# Altium PCB Shaheen.PcbDoc (part 2 of 4)
Units mm, origin at the board's own origin, x right, y up, seen from the top; angles counter-clockwise.
Board outline 102.4 x 144.2 mm, 4 copper layers (Top Layer, GND1, POWER, Bottom Layer), stack 0.89 mm thick; 163 components, 248 nets, 932 pads, 530 vias.
Unrouted connection lines stored in the file: 1.
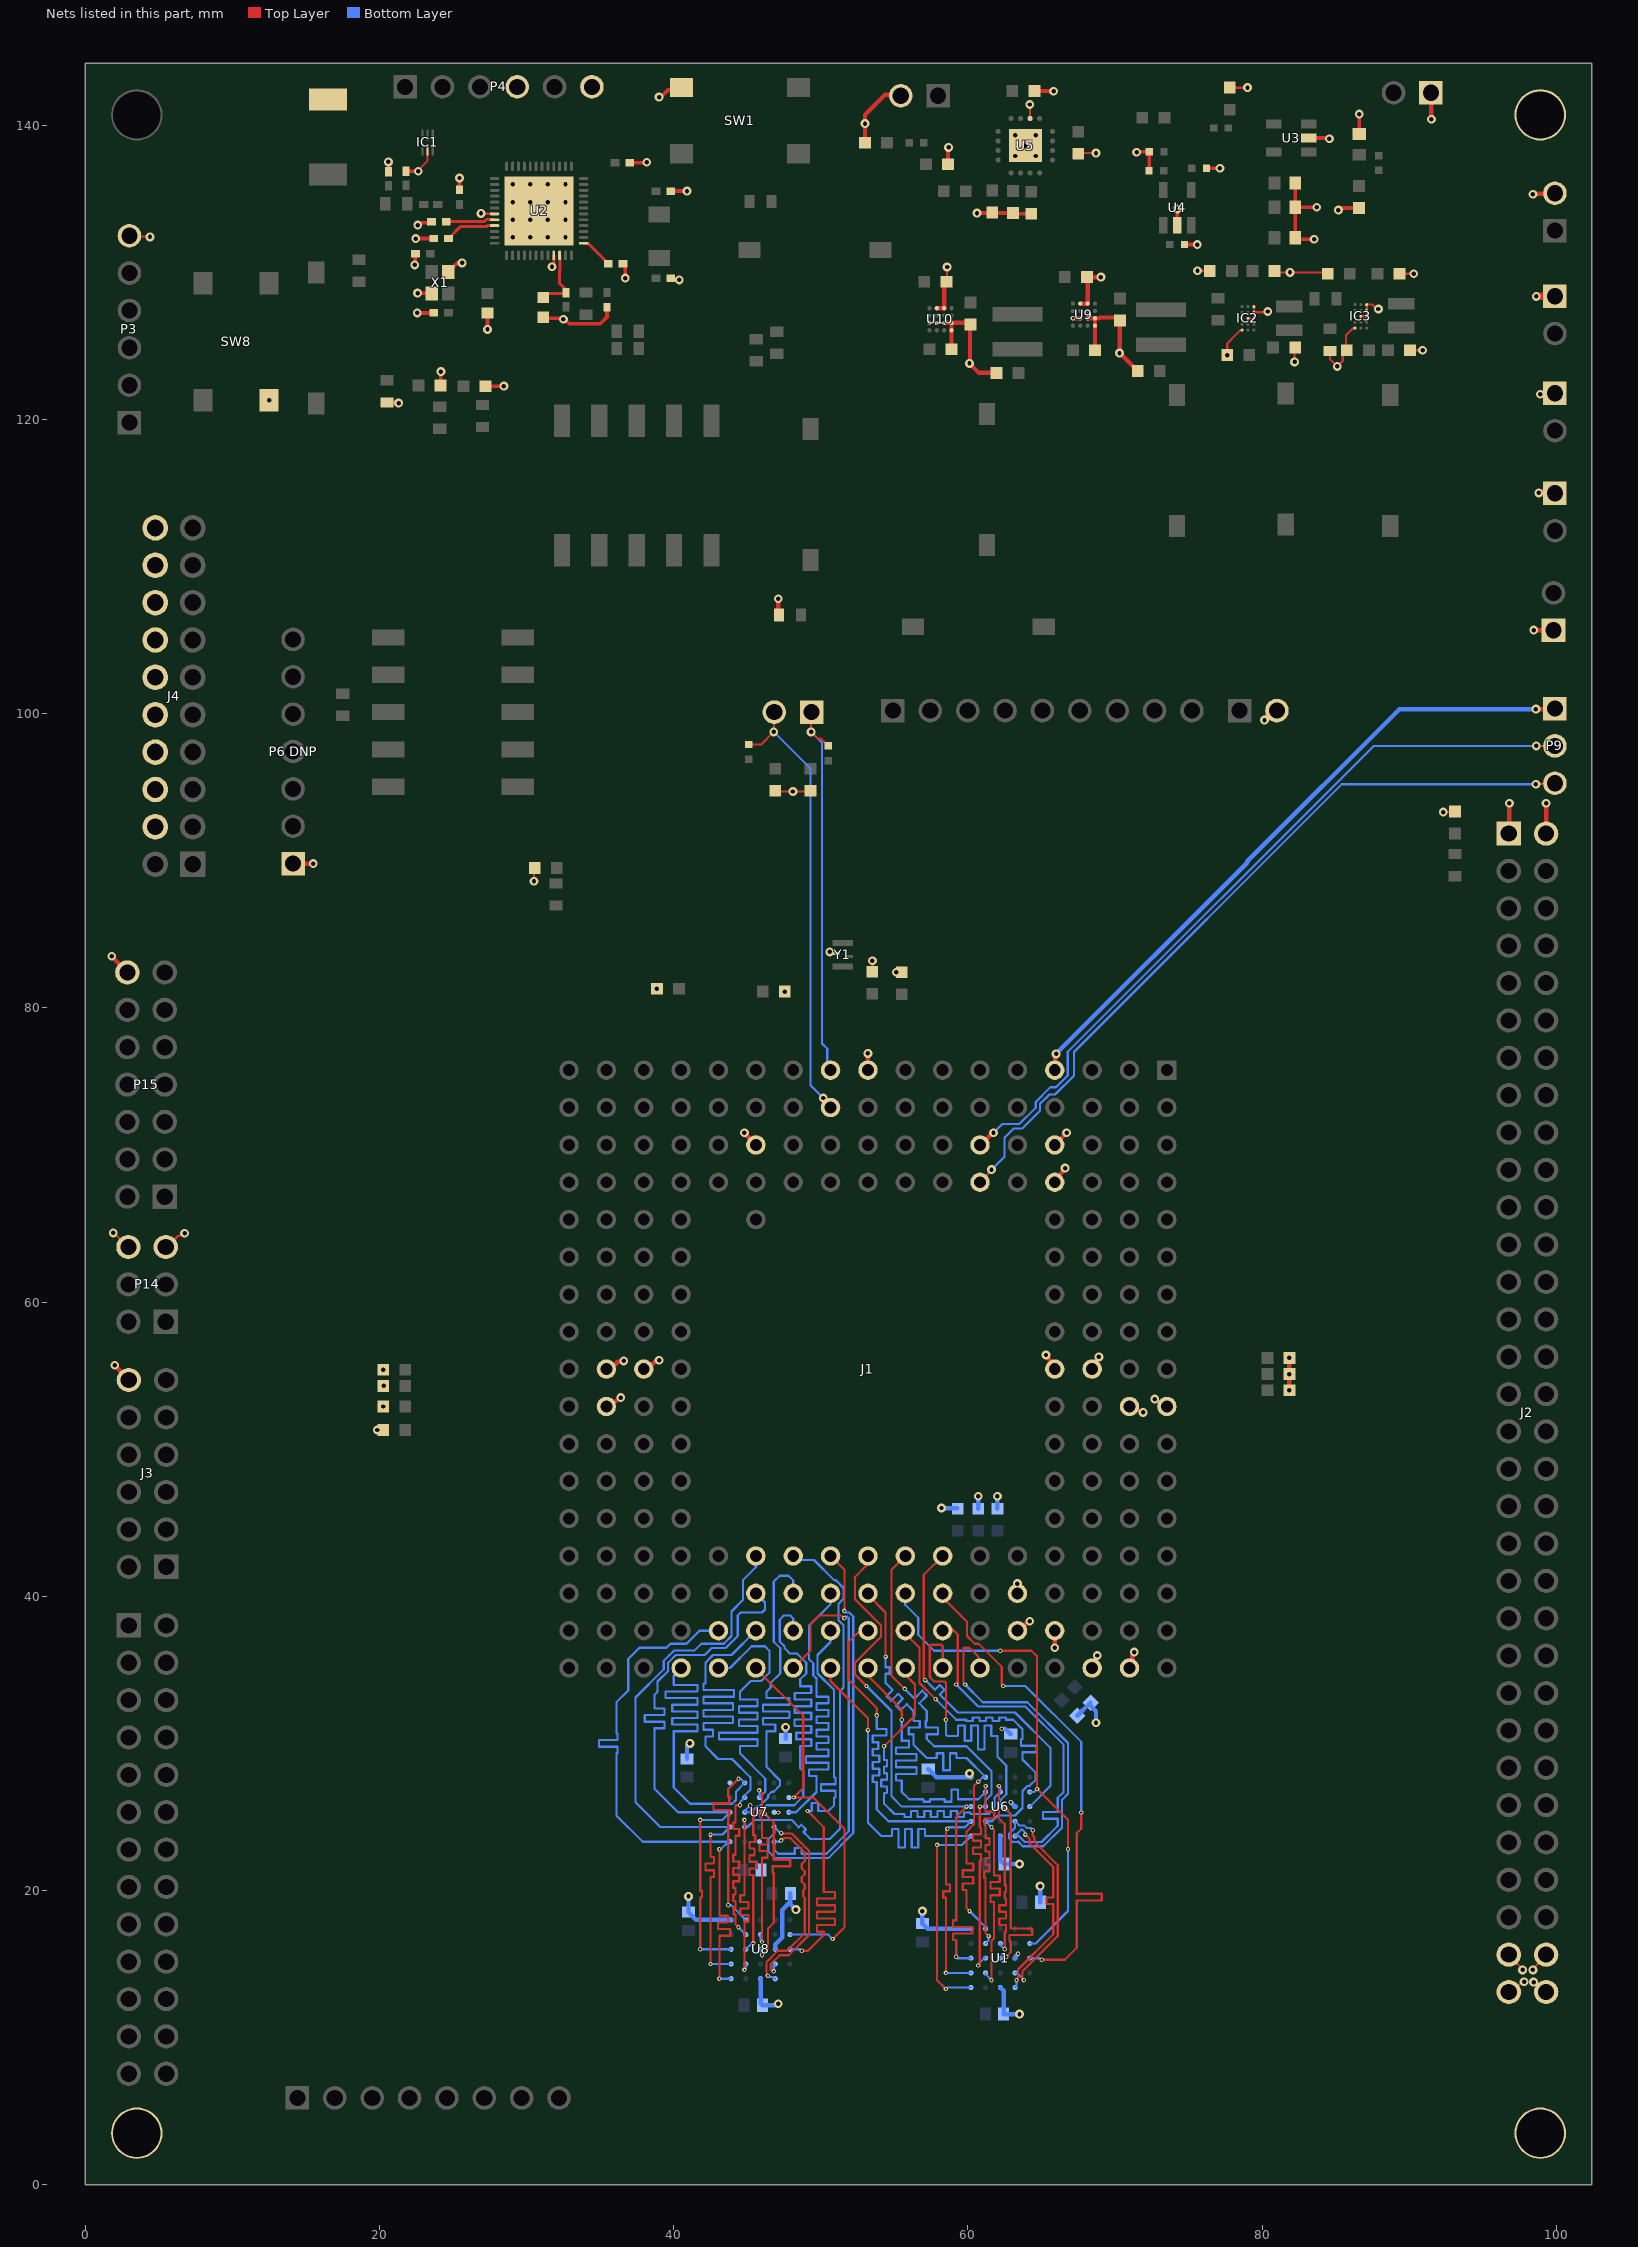
[diagram p4: the nets of this part, all layers, seen from the top]

## Part data
A1: library part "Linx ANT-2.45-CHP-x", "Amtenna", Manufacturer=Linx, Manufacturer PN=ANT-2.45-CHP-T, Supplier=Digikey, Supplier PN=ANT-2.45-CHPCT-ND
C1 C2 C3 C4 C5 C6 C8 C9 C35 C36 C37: library part CMP-1035-02588-2, Manufacturer=Vitramon, Part Number=VJ0603Y104KNXAO
C7: library part CMP-1035-02588-2, "100nF", Manufacturer=Vitramon, Part Number=VJ0603Y104KNXAO
C10: library part C0603-1µ0, "Capacitor, X7R, ±10%", Artikkelnr Noca=20039335, Artikkelnr Simpro=N.A., Footprint Doc=0603, LatestRevisionDate=2013-06-05, Note=16V, Part Number=C0603-1µ0, Pin Count=2, Published=2009-05-08, Publisher="Nordic Semiconductor"
C11 C17 C21: library part C0402-100n, "Capacitor, X7R, ±10%", Artikkelnr Noca=20039200, Artikkelnr Simpro=N.A., Footprint Doc=0402, LatestRevisionDate=2009-11-23, Note=16V, Part Number=C0402-100n, Pin Count=2, Published=2009-05-08, Publisher="Nordic Semiconductor"
C12 C13 C15 C16: library part C0402-12p, "Capacitor, NP0, ±2%", Artikkelnr Noca=20029159, Artikkelnr Simpro=N.A., Footprint Doc=0402, LatestRevisionDate=2011-05-11, Note=50V, Part Number=C0402-12p, Pin Count=2, Published=2009-05-08, Publisher="Nordic Semiconductor"
C14: library part C0603-4µ7, "Capacitor, X5R, ±10%", Artikkelnr Noca=20069060, Artikkelnr Simpro=N.A., Footprint Doc=0603, LatestRevisionDate=2009-11-23, Note=6.3V, Part Number=C0603-4µ7, Pin Count=2, Published=2009-05-08, Publisher="Nordic Semiconductor"
C18: library part C0402-100p, "Capacitor, NP0, ±5%", Artikkelnr Noca=20029135, Artikkelnr Simpro=N.A., Footprint Doc=0402, LatestRevisionDate=2009-05-08, Note=50V, Part Number=C0402-100p, Pin Count=2, Published=2009-05-08, Publisher="Nordic Semiconductor"
C19: library part C0402-N.C., "Not mounted", Artikkelnr Noca=N.A., Artikkelnr Simpro=N.A., Footprint Doc=0402, LatestRevisionDate=2009-05-08, Note="Chip Cap", Part Number=C0402-N.C., Pin Count=2, Published=2009-05-08, Publisher="Nordic Semiconductor"
C20: library part C0402-0.8p, "Capacitor, NP0, ±5%", Artikkelnr Noca=20029147, Artikkelnr Simpro=N.A., Footprint Doc=0402, LatestRevisionDate=2012-11-21, Note=50V, Part Number=C0402-0.8p, Pin Count=2, Published=2009-05-08, Publisher="Nordic Semiconductor"
C22 C23 C24 C25 C26 C27 C28 C30 C38 C39 C40 C41 C42 C43 C44 C45 C46 C47 C48 C49 C50 C51 C52 C53 C54 C55 C56 C57 C58 C59 C60 C61 C62 C63 C64 C65 C66 C67 C68 C69 C70 C71: "Capacitor", LatestRevisionDate=17-Jul-2002, LatestRevisionNote="Re-released for DXP Platform.", PackageDescription="Radial Cap, Thru-Hole; 2 Leads; 0.3 in Pin Spacing", PackageReference=RAD-0.3, Published=8-Jun-2000, Publisher="Altium Limited"
C29 C31 C32 C33: "Capacitor (Semiconductor SIM Model)", LatestRevisionDate=29-May-2009, LatestRevisionNote="IPC-7351 Footprint Added.", PackageDescription="Chip Capacitor", PackageReference=C1206, Published=8-Jun-2000, Publisher="Altium Limited"
C34: library part Cap, "Capacitor", LatestRevisionDate=17-Jul-2002, LatestRevisionNote="Re-released for DXP Platform.", PackageDescription="Radial Cap, Thru-Hole; 2 Leads; 0.3 in Pin Spacing", PackageReference=RAD-0.3, Published=8-Jun-2000, Publisher="Altium Limited"
D1 D2 D3 D4 D5 D6 D7 D8: "Typical BLUE SiC LED", DatasheetVersion=16-Apr-2002, LatestRevisionDate=17-Dec-2003, LatestRevisionNote="PCB Footprint replaced.", PackageDescription="SM LED; 2 C-Bend Leads; Body 3.5 x 2.8 x 1.9 mm, inc leads (LxWxH typ)", PackageReference=3.5X2.8X1.9, PackageVersion=16-Apr-2002, Published=8-Jun-2000, Publisher="Altium Limited"
IC1: "Integrated Circuit", Manufacturer_Name=Vishay, Mouser2 Part Number=78-DG4157EDN-T1-GE4, Datasheet Link=https://componentsearchengine.com//DG4157EDN-T1-GE4.pdf, Height=0.38mm, Manufacturer_Part_Number=DG4157EDN-T1-GE4, Mouser2 Price/Stock=https://www.mouser.com/Search/Refine.aspx?Keyword=78-DG4157EDN-T1-GE4
IC2 IC3: "Integrated Circuit", Manufacturer_Name=onsemi, Datasheet Link=https://www.onsemi.com/pub/Collateral/FAN53528-D.PDF, Height=0.625mm, Manufacturer_Part_Number=FAN53528DUC40X
J1: "Connector", Manufacturer_Name=ARIES, Mouser Part Number=535-441-PRS21001-16, Datasheet Link=https://www.mouser.it/datasheet/2/35/10004_pga_zif_test_and_burn_in_socket-1225760.pdf, Height=10.92mm, Manufacturer_Part_Number=441-PRS21001-16, Mouser Price/Stock=https://www.mouser.co.uk/ProductDetail/Aries-Electronics/441-PRS21001-16?qs=qSpSzuzdqG3uVfRDOHdDNQ%3D%3D
J2: library part CMP-1502-01138-1, "THT Vertical Pin Header WR-PHD, Pitch 2.54 mm, Dual Row, 64 pins", Contact Resistance=20mOhm, Manufacturer="Wurth Elektronik", Operating Temperature=-40to105degC, Rated Current=3A, Withstanding Voltage=500VAC, Working Voltage=250VAC, Datasheet URL=https://katalog.we-online.de/em/datasheet/6130xx21121.pdf, Gender=Male, Manufacturer URL=http://www.we-online.de, Mounting Technology=THT, Orientation=Vertical, Package Reference=61306421121, Packaging=Bag, Part Number=61306421121, Pin Number=64, Pitch=2.54mm, Publisher=WurthElektronik, Row Number=Dual
J3: "Connector", Manufacturer_Name="Wurth Elektronik", Mouser2 Part Number=710-61301221121, Datasheet Link=https://componentsearchengine.com//61301221121.pdf, Height=8.89mm, Manufacturer_Part_Number=61301221121, Mouser2 Price/Stock=https://www.mouser.com/Search/Refine.aspx?Keyword=710-61301221121
J4: library part CMP-04776-000337-1, "CONN HEADER VERT 20POS 2.54MM", Current Rating=2.5A, Flammability Rating="UL94 V-0", Max Operating Temperature=120°C, Max Voltage Rating (DC)=250V, Min Operating Temperature=-55°C, Package Quantity=720, Contact Material=Gold, Contact Plating=Gold, ELV=Compliant, Gender=Male, Glow Wire Compliant=Non-compliant, Mount="Through Hole", Number Of Circuits=20, Number of Contacts=20, Number of Positions=20, Number of Rows=2, Orientation=Vertical, Packaging=Tray, Pitch=2.54mm, Radiation Hardening=No, Series=70246, Termination=Solder, Voltage Rating=250V, Voltage Rating (DC)=250V
L1: library part L0402-15n, "High frequency chip inductor ±10%", 2nd source part number=658-1328, Manufacturer="Taiyo Yuden", Manufacturer Part Number=HK100515NJ-T, Supplier Part Number=587-1521-1-ND, 2nd source Supplier=Farnell, Artikkelnr Noca=33029323, Artikkelnr Simpro=N.A., Datasheet=http://www.yuden.co.jp/productdata/catalog/en/mlci04_e.pdf, Footprint Doc=0402, LatestRevisionDate=2012-09-19, Note="High frequency chip inductor ±10%", Part Number=L0402-15n, Pin Count=2, Published=2010-07-12, Publisher="Nordic Semiconductor", Supplier=Digi-Key
L2: library part L0603-10µ, "Chip inductor, IDC,min = 50 mA, ±20%", 2nd source part number=178-6105, Manufacturer="Taiyo Yuden", Manufacturer Part Number=LBMF1608T100K, Supplier Part Number=587-1714-1-ND, 2nd source Supplier=Farnell, Artikkelnr Noca=33029314, Artikkelnr Simpro=N.A., Datasheet=http://www.yuden.co.jp/ut/product/pdf/elb2_e.pdf, Footprint Doc=0603, LatestRevisionDate=2012-09-19, Note="LBMF1608T100K 10µH 80mA 0603", Part Number=L0603-10µ, Pin Count=2, Published=2010-02-24, Publisher="Nordic Semiconductor", Supplier=Digi-Key
L3: library part L0402-3n9, "High frequency chip inductor ±5%", Manufacturer=Murata, Manufacturer Part Number=LQP15MN3N9B02D, Supplier Part Number=490-1131-1-ND, Artikkelnr Noca=33029151, Artikkelnr Simpro=N.A., Datasheet=http://search.murata.co.jp/Ceramy/image/img/PDF/ENG/L0075S0084LQP15M.pdf, Footprint Doc=0402, LatestRevisionDate=2012-09-19, Note="High frequency chip inductor ±5%", Part Number=L0402-3n9, Pin Count=2, Published=2009-05-08, Publisher="Nordic Semiconductor", Supplier=Digi-Key
L5 L6: library part CMP-2000-07423-1, "Shielded Power Inductor, 1 uH, 64 MHz, -40 to 125 degC, 2-Pin SMD, RoHS, Tape and Reel", Case Height=2.1mm, Case Length=4.3mm, Inductance=1uH, Manufacturer=Coilcraft, Maximum DC Current=11A, Maximum DC Resistance=11.9mOhms, Operating Temperature Range=-40Cto+125C, Package Description="2-Pin Surface Mount Device, Body 4 x 4 mm, Pitch 2.37 mm", Package Reference=XFL4020, Self Resonant Frequency=64MHz, Test Frequency=100kHz, Tolerance=20%, Case Width=4.3mm, Core Material=Composite, Datasheet URL=http://www.mouser.com/ds/2/597/xfl4020-270756.pdf, Datasheet Version=07/2012, Dimensions=4.3mmWx4.3mmLx2.1mmH, Manufacturer URL=http://www.coilcraft.com/, Mounting Technology=SurfaceMount, Packaging=Reel, Product=PowerInductors, RoHS=Details, Series=XFL4020, Shielding=Shielded, Termination Style=SMD/SMT
L7 L8: library part CMP-06042-003298-1, "Shielded Wirewound Inductor 0.33uH 20% 3500mA 0.034Ω 0806 (2016)", Case Code (Imperial)=0806, Case Code (Metric)=2016, Current Rating=4.7A, DC Resistance (DCR)=34mR, Inductance=330nH, Max DC Current=3.5A, Max Operating Temperature=125°C, Min Operating Temperature=-40°C, Resistor Type=Wirewound, Test Frequency=1MHz, Tolerance=20%, Case/Package=0806, Core Material=Ferrite, Depth=1.6mm, Height - Seated (Max)=0.039inch, Length=0.079inch, Mount="Surface Mount", Packaging="Tape and Reel", Shielding=Shielded, Width=0.063inch
P1 P2 P5 P6 P7 P8 P10 P16 P17: library part CMP-1712-00002-4, "THT Vertical Pin Header WR-PHD, Pitch 2.54 mm, Single Row, 2 pins", Contact Resistance=20mOhm, Manufacturer="Wurth Elektronik", Operating Temperature=-40to105degC, Rated Current=3A, Withstanding Voltage=500VAC, Working Voltage=250VAC, Datasheet URL=https://katalog.we-online.de/em/datasheet/6130xx11121.pdf, Gender=Male, Manufacturer URL=http://www.we-online.de, Mounting Technology=THT, Orientation=Vertical, Package Reference=61300211121, Packaging=Bag, Part Number=61300211121, Pin Number=2, Pitch=2.54mm, Publisher=WurthElektronik, Row Number=Single
P3 P4: library part CMP-1502-01070-1, "THT Vertical Pin Header WR-PHD, Pitch 2.54 mm, Single Row, 6 pins", Contact Resistance=20mOhm, Manufacturer="Wurth Elektronik", Operating Temperature=-40to105degC, Rated Current=3A, Withstanding Voltage=500VAC, Working Voltage=250VAC, Datasheet URL=https://katalog.we-online.de/em/datasheet/6130xx11121.pdf, Gender=Male, Manufacturer URL=http://www.we-online.de, Mounting Technology=THT, Orientation=Vertical, Package Reference=61300611121, Packaging=Bag, Part Number=61300611121, Pin Number=6, Pitch=2.54mm, Publisher=WurthElektronik, Row Number=Single
"P6 DNP": library part CMP-1502-01074-1, "THT Vertical Pin Header WR-PHD, Pitch 2.54 mm, Single Row, 7 pins", Contact Resistance=20mOhm, Manufacturer="Wurth Elektronik", Operating Temperature=-40to105degC, Rated Current=3A, Withstanding Voltage=500VAC, Working Voltage=250VAC, Datasheet URL=https://katalog.we-online.de/em/datasheet/6130xx11121.pdf, Gender=Male, Manufacturer URL=http://www.we-online.de, Mounting Technology=THT, Orientation=Vertical, Package Reference=61300711121, Packaging=Bag, Part Number=61300711121, Pin Number=7, Pitch=2.54mm, Publisher=WurthElektronik, Row Number=Single
P9: library part CMP-1502-01062-1, "THT Vertical Pin Header WR-PHD, Pitch 2.54 mm, Single Row, 3 pins", Contact Resistance=20mOhm, Manufacturer="Wurth Elektronik", Operating Temperature=-40to105degC, Rated Current=3A, Withstanding Voltage=500VAC, Working Voltage=250VAC, Datasheet URL=https://katalog.we-online.de/em/datasheet/6130xx11121.pdf, Gender=Male, Manufacturer URL=http://www.we-online.de, Mounting Technology=THT, Orientation=Vertical, Package Reference=61300311121, Packaging=Bag, Part Number=61300311121, Pin Number=3, Pitch=2.54mm, Publisher=WurthElektronik, Row Number=Single
P11: library part CMP-1502-01080-1, "THT Vertical Pin Header WR-PHD, Pitch 2.54 mm, Single Row, 9 pins", Contact Resistance=20mOhm, Manufacturer="Wurth Elektronik", Operating Temperature=-40to105degC, Rated Current=3A, Withstanding Voltage=500VAC, Working Voltage=250VAC, Datasheet URL=https://katalog.we-online.de/em/datasheet/6130xx11121.pdf, Gender=Male, Manufacturer URL=http://www.we-online.de, Mounting Technology=THT, Orientation=Vertical, Package Reference=61300911121, Packaging=Bag, Part Number=61300911121, Pin Number=9, Pitch=2.54mm, Publisher=WurthElektronik, Row Number=Single
P12: library part CMP-1502-01076-1, "THT Vertical Pin Header WR-PHD, Pitch 2.54 mm, Single Row, 8 pins", Contact Resistance=20mOhm, Manufacturer="Wurth Elektronik", Operating Temperature=-40to105degC, Rated Current=3A, Withstanding Voltage=500VAC, Working Voltage=250VAC, Datasheet URL=https://katalog.we-online.de/em/datasheet/6130xx11121.pdf, Gender=Male, Manufacturer URL=http://www.we-online.de, Mounting Technology=THT, Orientation=Vertical, Package Reference=61300811121, Packaging=Bag, Part Number=61300811121, Pin Number=8, Pitch=2.54mm, Publisher=WurthElektronik, Row Number=Single
P13: library part CMP-1502-01114-1, "THT Vertical Pin Header WR-PHD, Pitch 2.54 mm, Dual Row, 26 pins", Contact Resistance=20mOhm, Manufacturer="Wurth Elektronik", Operating Temperature=-40to105degC, Rated Current=3A, Withstanding Voltage=500VAC, Working Voltage=250VAC, Datasheet URL=https://katalog.we-online.de/em/datasheet/6130xx21121.pdf, Gender=Male, Manufacturer URL=http://www.we-online.de, Mounting Technology=THT, Orientation=Vertical, Package Reference=61302621121, Packaging=Bag, Part Number=61302621121, Pin Number=26, Pitch=2.54mm, Publisher=WurthElektronik, Row Number=Dual
P14: library part CMP-1502-01072-1, "THT Vertical Pin Header WR-PHD, Pitch 2.54 mm, Dual Row, 6 pins", Contact Resistance=20mOhm, Manufacturer="Wurth Elektronik", Operating Temperature=-40to105degC, Rated Current=3A, Withstanding Voltage=500VAC, Working Voltage=250VAC, Datasheet URL=https://katalog.we-online.de/em/datasheet/6130xx21121.pdf, Gender=Male, Manufacturer URL=http://www.we-online.de, Mounting Technology=THT, Orientation=Vertical, Package Reference=61300621121, Packaging=Bag, Part Number=61300621121, Pin Number=6, Pitch=2.54mm, Publisher=WurthElektronik, Row Number=Dual
P15: library part CMP-1502-01093-1, "THT Vertical Pin Header WR-PHD, Pitch 2.54 mm, Dual Row, 14 pins", Contact Resistance=20mOhm, Manufacturer="Wurth Elektronik", Operating Temperature=-40to105degC, Rated Current=3A, Withstanding Voltage=500VAC, Working Voltage=250VAC, Datasheet URL=https://katalog.we-online.de/em/datasheet/6130xx21121.pdf, Gender=Male, Manufacturer URL=http://www.we-online.de, Mounting Technology=THT, Orientation=Vertical, Package Reference=61301421121, Packaging=Bag, Part Number=61301421121, Pin Number=14, Pitch=2.54mm, Publisher=WurthElektronik, Row Number=Dual
R1 R2 R3 R4 R5 R6 R7 R8 R9 R10 R11 R19 R21: library part Res3, "Resistor", LatestRevisionDate=29-May-2009, LatestRevisionNote="IPC-7351 Footprint Added.", PackageDescription="Chip Resistor", PackageReference=J1-0603, Published=8-Jun-2000, Publisher="Altium Limited"
R12 R13 R14 R17 R18 R22 R23 R25 XX1: "Resistor", LatestRevisionDate=29-May-2009, LatestRevisionNote="IPC-7351 Footprint Added.", PackageDescription="Chip Resistor", PackageReference=J1-0603, Published=8-Jun-2000, Publisher="Altium Limited"
R24: library part Res2, "Resistor", LatestRevisionDate=17-Jul-2002, LatestRevisionNote="Re-released for DXP Platform.", PackageDescription="Axial Device, Thru-Hole; 2 Leads; 0.4 in Pin Spacing", PackageReference=AXIAL-0.4, Published=8-Jun-2000, Publisher="Altium Limited"
SW1 SW8: library part CMP-2000-05160-2, "SWITCH TACTILE SPST-NO 0.05A 12V", Case/Package=SMD/SMT, Color=Black, Contact Resistance=100mR, Current Rating=50mA, Max Operating Temperature=60°C, Max Voltage Rating (DC)=12V, Min Operating Temperature=-20°C, Operating Force=160gf, Package Quantity=1, Actuator Length=0.85mm, Actuator Material=Nylon, Actuator Type=Standard, Contact Material=Silver, Contact Plating=Silver, Depth=9mm, Illumination Type=Non-Illuminated, Lead Free="Lead Free", Length=6mm, Max Current Rating=50mA, Mechanical Life=100000Cycles, Mount="Surface Mount", Orientation=Straight, Packaging="Tape and Reel", REACH SVHC="No SVHC", Switch Function=Off-Mom, Termination="Gull Wing", Throw Configuration=SPST, Voltage Rating (DC)=12V
SW2 SW3: library part CMP-1437-00005-1, "WS-DISV 2.54 mm small compact SMD Dip Switch with top tape", Manufacturer="Wuerth Elektronik", ComponentLink1Description="Manufacturer URL", ComponentLink1URL=http://www.we-online.com, ComponentLink2Description=Datasheet, ComponentLink2URL=http://katalog.we-online.de/em/datasheet/4181211608xx.pdf, NoPins=10, PackageReference=418121160805, PartNumber=418121160805
SW4 SW5 SW6 SW7 SW9 SW10 SW11 SW12: library part CMP-08827-000005-1, "SWITCH SLIDE DIP SPST 25MA 24V", Ambient Temperature Range High=+70°C, Ambient Temperature Range Low=-20°C, Contact Current Rating=25mA, Contact Resistance=200mΩ, Manufacturer="Omron Electronics Inc-EMC Div", Package=0, Temperature="-20°C to +70°C", Voltage Rating Dc=24V, Automotive=No, Category=Switch, ComponentLink2Description=Datasheet, ComponentLink2URL=https://omronfs.omron.com/en_US/ecb/products/pdf/en-a6s.pdf, Device Class L1=Electromechanical, Device Class L2=Switches, Device Class L3="DIP Switches", Digikey Description="SWITCH SLIDE DIP SPST 25MA 24V", Electromechanical Life=1000Cycles, Height=3.95mm, Lead Free=Yes, Manufacturer Part Number=A6S-1104-H, Mount="Surface Mount", Mouser Description="DIP Switches / SIP Switches Dip Switch", Number Of Circuits=1, Octopart=https://octopart.com/a6s-1104-h-omron-55410938, RoHS=TRUE, Standoff Height=0mm, Temperature Range High=+70°C, Temperature Range Low=-20°C, Throw Configuration=SPST-NO
U2: library part nRF52832-QFAB, "Multi-protocol Bluetooth Low Energy, ANT and 2.4GHz proprietary system-on-chip", Manufacturer="Nordic Semiconductor", Artikkelnr Noca=N.A., Artikkelnr Simpro=N.A., Footprint Doc=QFN-48, LatestRevisionDate=2016-11-24, Manufacturer Part Number=nRF52832-QFAA, Part Number=nRF52832-QFAA, Pin Count=48, Published=2016-11-24, Publisher="Nordic Semiconductor", Supplier="Nordic Semiconductor"
U3: "Linear Regulator"
U4: "Regulator"
U5: "LDO Voltage Regulators 2A LDO Fix V-out Family", Manufacturer_Name="Analog Devices", Mouser Part Number=584-ADP1740ACPZ1.8R7, Datasheet Link=https://componentsearchengine.com/Datasheets/2/ADP1740ACPZ-1.8-R7.pdf, Geometry.Height=0.8mm, Manufacturer_Part_Number=ADP1740ACPZ-1.8-R7, Mouser Price/Stock=https://www.mouser.co.uk/ProductDetail/Analog-Devices/ADP1740ACPZ-18-R7?qs=WIvQP4zGanhn2jVFfFpW%2Fg%3D%3D
U9 U10: "Integrated Circuit", Manufacturer_Name="Texas Instruments", Datasheet Link=http://www.ti.com/lit/gpn/tps62361b, Height=0.625mm, Manufacturer_Part_Number=TPS62361BYZHR
X1: library part XTAL_SMD2016_32MHz_8pF_General, "XTAL SMD 2016, 32MHz, Cl=8pF, Total Tol: ±40ppm", Artikkelnr Noca=N.A., Artikkelnr Simpro=N.A., Footprint Doc=XTAL_2016, LatestRevisionDate=2016-08-19, Note="XTAL SMD 32.000MHz", Part Number=XTAL_SMD2016_32MHz_8pF_General, Pin Count=4, Published=2016-08-19, Publisher="Nordic Semiconductor"
X2: library part XTAL_SMD3215_32.768kHz_9pF_General, "XTAL SMD 3215, 32.768kHz, Cl=9pF, Total Tol: ±50ppm", Artikkelnr Noca=N.A., Artikkelnr Simpro=N.A., Footprint Doc=XTAL_3215, LatestRevisionDate=2016-08-19, Note="XTAL SMD 32.768kHz", Part Number=XTAL_SMD3215_32.768kHz_9pF_General, Pin Count=2, Published=2016-08-19, Publisher="Nordic Semiconductor"
XX2 XX3: library part L0402-N.C., "Not mounted", Artikkelnr Noca=N.A., Artikkelnr Simpro=N.A., Assembly="Not mounted", ComponentLink1Description=Datasheet, ComponentLink2Description="Supplier link", Footprint Doc=0402, LatestRevisionDate=2016-11-24, Part Number=L0402-N.C., Pin Count=2, Published=2016-11-24, Publisher="Nordic Semiconductor"
Y1: library part CMP-25159-260609-1, "MEMS OSC XO 32.7680KHZ LVCMOS", Case/Package=SMD/SMT, Frequency=32.768kHz, Frequency Stability=75ppm, Max Operating Temperature=70°C, Max Supply Current=1.3uA, Min Operating Temperature=-10°C, Height=0.024inch, Length=0.079inch, Mount="Surface Mount", Number of Pins=4, Packaging="Cut Tape", RoHS Compliant=Yes, Series=SiT1533, Width=0.047inch
L4: Code_IEC=1005, Code_JEITA=0402, LatestRevisionDate=29-May-2009, LatestRevisionNote="IPC-7351 Footprint Added.", PackageDescription="Chip Inductor", PackageReference=0402-A, Published=8-Jun-2000, Publisher="Altium Limited"

## Free pads (board coordinates)
  round 3.5 hole 3.2: 2(3.5,3.5) 2(3.5,140.7) 2(98.9,3.5) 2(98.9,140.7)

## Via types
v1: diameter 0.6, hole 0.3, Top Layer to Bottom Layer, tented both sides, 440 vias
v2: diameter 0.3, hole 0.15, Top Layer to Bottom Layer, tented both sides, 87 vias
v3: diameter 1, hole 0.5, Top Layer to Bottom Layer, tented both sides, 2 vias
v4: diameter 0.3, hole 0.15, Top Layer to Bottom Layer, 1 vias

## Nets (pads, with @x,y where several pads share a name; then routed paths per layer and width w, separated by ;. In a path a pad name is that pad's centre, name@x,y a point inside that pad or via, vN(x,y) a via of type N, cw(c..) or ccw(c..) an arc to the next point about the centre after c; other vN are vias at no path point)
CVA6_URAT_RX: J1.H1 P10.1 R13.1 | length 26.5
  Top Layer w0.15: P10.1@49.37,100.1 49.333,100.063 v1(49.333,98.755) 49.796,98.292 50.009,98.292 R13.1@50.5,97.8
  Bottom Layer w0.15: v1(49.333,98.755) 50.074,98.013 50.074,77.575 50.437,77.212 50.437,75.983 J1.H1@50.66,75.76
CVA6_URAT_TX: J1.H2 P10.2 R14.1 | length 30.5
  Top Layer w0.15: R14.1@45.1,97.9 45.943,97.9 v1(46.798,98.755) 46.814,98.771 46.814,100.084 P10.2@46.83,100.1 ; v1(50.164,73.867) 50.164,73.791 50.66,73.295 J1.H2@50.66,73.22
  Bottom Layer w0.15: v1(46.798,98.755) 49.303,96.25 49.303,75.479 49.3,75.476 49.3,74.73 v1(50.164,73.867)
DEC1: C11.1 U2.1 | length 2.3
  Top Layer w0.203: U2.1@33.869,131.967 34.169,131.967 C11.1@35.551,130.586
DEC2: C19.2 U2.32 | length 3.3
  Top Layer w0.203: C19.2@24.537,133.431 24.55,133.444 27.128,133.444 27.252,133.567 U2.32@27.819,133.567
DEC3: C18.1 U2.33 | length 3.5
  Top Layer w0.203: C18.1@24.686,132.288 25.489,133.091 27.275,133.091 27.349,133.166 27.817,133.166 U2.33@27.819,133.167
DEC4: C10.2 L1.1 U2.46 | length 4.2
  Top Layer w0.203: C10.2@31.199,128.543 32.619,128.543 32.619,128.862 32.244,129.237 32.244,130.114 32.276,130.146 32.276,131.11 U2.46@32.244,131.142
GND: "P6 DNP.1" A1.2 C1.1 C2.1 C3.1 C4.1 C5.1 C6.1 C7.1 C8.1 C9.1 C10.1 C11.2 C12.2 C13.2 C14.2 C15.2 C16.2 C17.2 C18.2 C19.1 C20.1 C21.2 C22.2 C23.2 C24.2 C25.1 C26.2 C27.1 C28.2 C29.1 C30.1 C31.1 C32.1 C33.1 C34.2 C35.1 C36.1 C37.1 C38.1 C39.1 C40.2 C41.1 C42.2 C43.1 C44.1 C45.2 C46.2 C47.1 C48.1 C49.1 C50.2 C51.2 C52.2 C53.2 C54.2 C55.2 C56.2 C57.2 C58.2 C59.1 C60.2 C61.2 C62.1 C63.2 C64.2 C65.2 C66.1 C67.2 C68.2 C69.2 C70.2 C71.2 D1.2 D2.2 D3.2 D4.2 D5.2 D6.2 D7.2 D8.2 IC1.5 IC2.A3 IC2.B3 IC2.C2 IC2.C3 IC2.E1 IC3.A3 IC3.B3 IC3.C2 IC3.C3 IC3.E1 J1.B9 J1.B10 J1.C9 J1.F3 J1.J1 J1.N15 J1.N16 J1.P3 J1.P4 J1.P9 J1.P16 J1.R9 J1.R17 J1.S10 J1.S17 J1.T10 J2.1 J2.2 J2.61 J2.62 J2.63 J2.64 J3.12 J4.4 J4.6 J4.8 J4.10 J4.12 J4.14 J4.16 J4.18 J4.20 P1.1 P2.1 P3.6 P4.4 P4.6 P5.1 P6.2 P7.1 P8.1 P14.5 P14.6 P15.14 P16.2 P17.2 pad.2@3.5,3.5 pad.2@98.9,3.5 pad.2@98.9,140.7 R4.2 R7.2 R9.2 SW1.1 SW8.3 U1.B3 U1.C1 U1.E5 U2.31 U2.45 U2.49 U3.2 U4.2 U5.6 U5.17 U6.B3 U6.C1 U6.E5 U7.B3 U7.C1 U7.E5 U8.B3 U8.C1 U8.E5 U9.A2 U9.A3 U9.C1 U9.C2 U9.C3 U9.C4 U9.D4 U10.A2 U10.A3 U10.C1 U10.C2 U10.C3 U10.C4 U10.D4 X1.2 X1.4 XX2.2 XX3.2 Y1.2 | length 193.1
  Top Layer w0.15: v1@1.8,83.48 v1(1.8,83.5) ; v1(1.9,64.7) 1.935,64.7 2.895,63.74 P14.6@2.93,63.74 ; v1@2,55.68 v1(2,55.7) ; P3.6@2.3,132.45 3,132.45 3.025,132.425 4.375,132.425 v1(4.4,132.4) ; P15.14@2.86,82.4 P15.14@2.86,82.42 ; J3.12@2.96,54.7 J3.12@2.96,54.72 ; P14.5@5.47,63.74 5.555,63.74 6.199,64.384 6.287,64.472 v1(6.751,64.672) ; 13.5,89.78 13.52,89.8 ; v1(19.85,51.3) C62.1@20.25,51.3 ; C63.2@20.25,54.3 v1(20.3,54.3) ; v1(22.633,136.867) 22.633,136.933 23.271,137.571 IC1.5@23.271,138.325 ; v1(26.9,133.996) 26.919,133.977 27.809,133.977 U2.31@27.819,133.967 ; v1(30.5,88.6) 30.5,89.45 C71.2@30.55,89.5 ; J1.B10@35.42,52.9 J1.B10@35.46,52.9 ; J1.B9@35.42,55.44 J1.B9@35.42,55.53 ; J1.C9@37.96,55.44 J1.C9@37.98,55.46 ; v1(39,141.9) v1@39.122,141.9 ; J1.F3@45.58,70.68 J1.F3@45.58,70.898 ; D8.2@46.9,94.75 46.95,94.7 v1(48.1,94.7) 49.25,94.7 D7.2@49.3,94.75 D7.2@49.35,94.8 ; R4.2@47.1,106.75 R4.2@47.15,106.7 ; v1(50.599,83.797) 50.672,83.725 51.025,83.725 Y1.2@51.05,83.7 ; C68.2@53.5,82.45 v1(53.5,83.2) ; v2(57.381,126.554) U10.C2@57.881,126.554 ; C45.2@58.581,129.404 v1(58.581,130.354) ; C43.1@60.062,126.554 C43.1@60.174,126.441 ; C22.2@63.051,134.027 C22.2@63.103,133.975 ; J1.N16@63.36,37.66 J1.N16@63.387,37.687 ; J1.N15@63.36,40.2 J1.N15@63.43,40.2 ; v1(64.2,141.4) 64.213,141.388 64.213,140.463 U5.6@64.225,140.45 ; J1.P9@65.88,55.42 J1.P9@65.9,55.44 ; J1.P16@65.9,37.66 J1.P16@65.9,37.68 ; C28.2@67.5,138.05 67.55,138.1 v1(68.7,138.1) ; C40.2@68.082,129.668 C40.2@68.132,129.618 ; J1.R9@68.42,55.46 J1.R9@68.44,55.44 ; J1.S17@70.98,35.12 J1.S17@70.99,35.11 ; J1.S10@70.98,52.9 71.296,52.9 71.609,52.586 71.814,52.586 v1(71.9,52.5) ; v1(75.6,130.1) 76.43,130.1 C47.1@76.44,130.09 ; v1(77.618,124.364) 77.618,125.16 78.335,125.878 78.508,126.05 78.621,126.05 IC2.E1@78.632,126.061 ; D4.2@77.8,142.55 77.805,142.545 v1(79,142.545) ; IC2.C2@79.032,126.861 IC2.C3@79.432,126.861 IC2.B3@79.432,127.261 ; IC2.A3@79.432,127.661 IC2.B3@79.432,127.261 ; v1(80.378,127.332) 80.318,127.272 79.443,127.272 IC2.B3@79.432,127.261 ; C41.1@80.84,130.09 80.94,129.99 v1(81.89,129.99) 84.36,129.99 C48.1@84.45,129.9 ; P16.2@81,100.2 P16.2@81.05,100.25 ; v1(82.2,123.9) 82.2,124.85 C50.2@82.24,124.89 ; R9.2@84.6,124.65 84.6,124.1 v1(85.1,123.6) 85.471,123.971 85.471,124.421 85.7,124.65 85.7,125.714 86.175,126.189 86.289,126.189 IC3.E1@86.3,126.2 ; IC3.C2@86.7,127 IC3.C3@87.1,127 IC3.B3@87.1,127.4 IC3.A3@87.1,127.8 87.478,127.8 87.778,127.5 v1(87.9,127.5) ; C49.1@89.33,129.9 v1(90.3,129.9) ; C52.2@90.05,124.7 v1(90.9,124.7) ; P5.1@91.47,142.2 P5.1@91.5,142.17 ; v1(92.3,93.3) 93.05,93.3 D6.2@93.1,93.35 ; J2.63@96.45,13.73 J2.63@96.5,13.78 ; J2.63@96.76,13.1 96.978,13.1 97.678,13.8 v1(97.8,13.8) ; J2.61@96.76,15.64 96.76,15.59 97.7,14.65 v1(97.7,14.6) ; J2.1@96.76,91.84 J2.1@96.8,91.88 ; v1(98.4,14.6) 98.4,14.67 99.3,15.57 J2.62@99.3,15.64 ; v1(98.4,135.3) v1@98.435,135.335 ; v1(98.447,13.773) 98.537,13.773 99.21,13.1 J2.64@99.3,13.1 ; J2.64@99.04,13.78 J2.64@99.1,13.72 ; P2.1@99.788,105.672 P2.1@99.8,105.66 ; P8.1@99.83,121.7 P8.1@99.9,121.77 ; P17.2@99.865,135.335 P17.2@99.9,135.37 ; P7.1@99.87,115 P7.1@99.9,114.97 ; P1.1@99.887,128.357 P1.1@99.9,128.37 P1.1@99.915,128.385
  Top Layer w0.203: v1(31.725,130.375) 31.844,130.494 U2.45@31.844,131.142
  Top Layer w0.254: v1(20.6,137.5) 20.604,137.496 20.604,136.831 XX3.2@20.608,136.827 ; XX2.2@21.801,136.852 21.809,136.859 22.626,136.859 v1(22.633,136.867) ; v1(22.4,130.5) 22.422,130.522 22.422,131.224 C15.2@22.444,131.246 ; v1(22.462,132.288) C18.2@23.686,132.288 ; v1(22.563,127.233) C12.2@23.686,127.233 ; v1(22.589,128.579) 22.603,128.566 X1.2@23.536,128.566 ; v1(22.6,133.2) 22.694,133.2 22.856,133.362 23.668,133.362 C19.1@23.686,133.38 ; D1.2@24.15,122.3 24.168,122.318 v1(24.168,123.245) ; X1.4@24.686,130.016 25.308,130.637 v1(25.611,130.637) ; C20.1@25.434,135.429 C20.1@25.434,135.607 v1(25.434,136.403) ; D2.2@27.2,122.255 v1(28.456,122.255) ; v1(27.339,126.117) C14.2@27.339,127.219 ; C10.1@31.123,126.939 31.196,126.866 32.434,126.866 v1(32.5,126.8) 32.594,126.8 32.903,126.491 35.009,126.491 35.467,126.949 C21.2@35.467,127.622 ; C11.2@36.551,130.586 36.577,130.586 36.7,130.463 v1(36.7,129.6) ; C17.2@37.008,137.444 38.134,137.444 v1(38.159,137.469) ; v1@39.122,141.9 39.613,142.391 40.366,142.391 SW1.1@40.525,142.55 ; C13.2@39.8,129.596 39.859,129.537 40.32,129.537 v1(40.379,129.479) ; C16.2@39.8,135.496 39.851,135.445 39.919,135.514 v1(40.9,135.514) ; C24.2@58.645,137.342 58.645,138.448 v1(58.682,138.485) ; v1(60.613,134.015) 60.625,134.027 C22.2@63.051,134.027 ; C22.2@63.103,133.975 C65.2@64.3,133.975 ; C34.2@64.512,142.321 65.82,142.321 v1(65.82,142.295) ; v1(71.458,138.155) 71.484,138.181 C27.1@72.322,138.181 72.313,138.171 C26.2@72.313,136.9 ; U4.2@74.227,133.196 v1(74.227,134.294) ; C30.1@74.716,131.88 v1(75.58,131.88) ; C25.1@76.208,137.063 v1(77.123,137.063) ; C33.1@82.242,136.072 C32.1@82.242,134.421 ; U3.2@83.174,139.12 84.514,139.12 v1(84.565,139.07) ; v1(83.523,132.237) 82.344,132.237 C31.1@82.242,132.339 C32.1@82.242,134.421 ; v1(83.701,134.421) C32.1@82.242,134.421 ; v1(85.174,134.218) 85.313,134.357 D3.2@86.571,134.357 ; C29.1@86.597,139.389 v1(86.597,140.746)
  Top Layer w0.3: v1@1.8,83.48 P15.14@2.86,82.42 ; v1@2,55.68 J3.12@2.96,54.72 ; 13.52,89.8 14.123,89.8 v1(15.5,89.8) ; R7.2@20.5,121.15 20.525,121.125 21.275,121.125 v1(21.3,121.1) ; J1.B10@35.42,52.94 35.735,52.94 36.238,53.443 36.343,53.443 v1(36.4,53.5) ; J1.B9@35.42,55.53 35.785,55.53 36.198,55.943 36.543,55.943 v1(36.6,56) ; J1.C9@37.98,55.46 38.255,55.46 38.78,55.985 38.943,55.985 v1(39,56.042) ; C61.2@38.85,81.3 v1(38.856,81.293) ; v1(44.8,71.5) 44.8,71.48 45.382,70.898 J1.F3@45.58,70.898 ; R4.2@47.1,106.75 v1(47.1,107.8) ; D5.2@53,138.796 53,140.7 54.356,142.056 55.374,142.056 P6.2@55.43,142 ; J1.J1@53.2,75.76 v1(53.2,76.9) ; U10.A2@57.881,127.554 U10.A3@58.381,127.554 58.381,129.204 C45.2@58.531,129.354 C45.2@58.581,129.404 ; U10.C3@58.381,126.554 U10.C4@58.881,126.554 ; C44.1@58.881,124.761 U10.D4@58.881,126.054 U10.C4@58.881,126.554 ; C43.1@60.062,126.554 U10.C4@58.881,126.554 ; C43.1@60.174,126.441 60.137,126.404 60.137,123.837 v1(60.1,123.8) 60.746,123.154 C46.2@61.931,123.154 ; v1(63.36,40.858) 63.36,40.27 J1.N15@63.43,40.2 ; J1.N16@63.387,37.687 63.506,37.687 64.119,38.3 v1(64.2,38.3) ; v1(65.3,56.4) 65.357,56.343 65.357,56.258 65.88,55.735 J1.P9@65.88,55.42 ; v1(65.9,36.5) J1.P16@65.9,37.68 ; J1.P4@65.9,68.14 65.9,68.319 66.6,69.019 v1(66.6,69.1) ; J1.P3@65.9,70.68 65.9,70.69 66.7,71.49 v1(66.7,71.5) ; v2(67.132,126.868) U9.C2@67.632,126.868 ; U9.A2@67.632,127.868 U9.A3@68.132,127.868 C40.2@68.132,129.618 ; C40.2@68.082,129.668 v1(69.032,129.668) ; U9.C3@68.132,126.868 U9.C4@68.632,126.868 ; J1.R9@68.42,55.46 68.42,55.695 68.843,56.118 68.843,56.215 v1(68.9,56.272) ; J1.R17@68.44,35.12 68.44,35.395 68.735,35.69 68.735,35.912 v1(68.792,35.97) ; C39.1@68.632,125.075 U9.D4@68.632,126.368 U9.C4@68.632,126.868 ; J1.S17@70.99,35.11 70.99,35.129 71.174,35.313 71.174,35.993 71.3,36.119 v1(71.3,36.2) ; C42.2@71.54,123.29 70.33,124.5 v1(70.3,124.5) 70.316,124.516 70.316,126.702 C38.1@70.332,126.718 70.131,126.919 68.983,126.919 68.933,126.868 U9.C4@68.632,126.868 ; v1(72.7,53.4) 72.7,53.385 72.657,53.343 72.803,53.343 73.245,52.9 J1.T10@73.52,52.9 ; v1(81.85,54) v1(81.85,55.1) v1(81.85,56.2) ; v1(91.5,140.4) P5.1@91.5,142.17 ; J2.1@96.8,91.88 v1(96.8,93.9) ; v1@98.435,135.335 P17.2@99.865,135.335 ; v1(98.455,105.672) P2.1@99.788,105.672 ; J2.2@99.3,91.84 v1(99.3,93.9)